# Altium PCB 2017_FDP_PCB.PcbDoc (part 1 of 3) (continued)
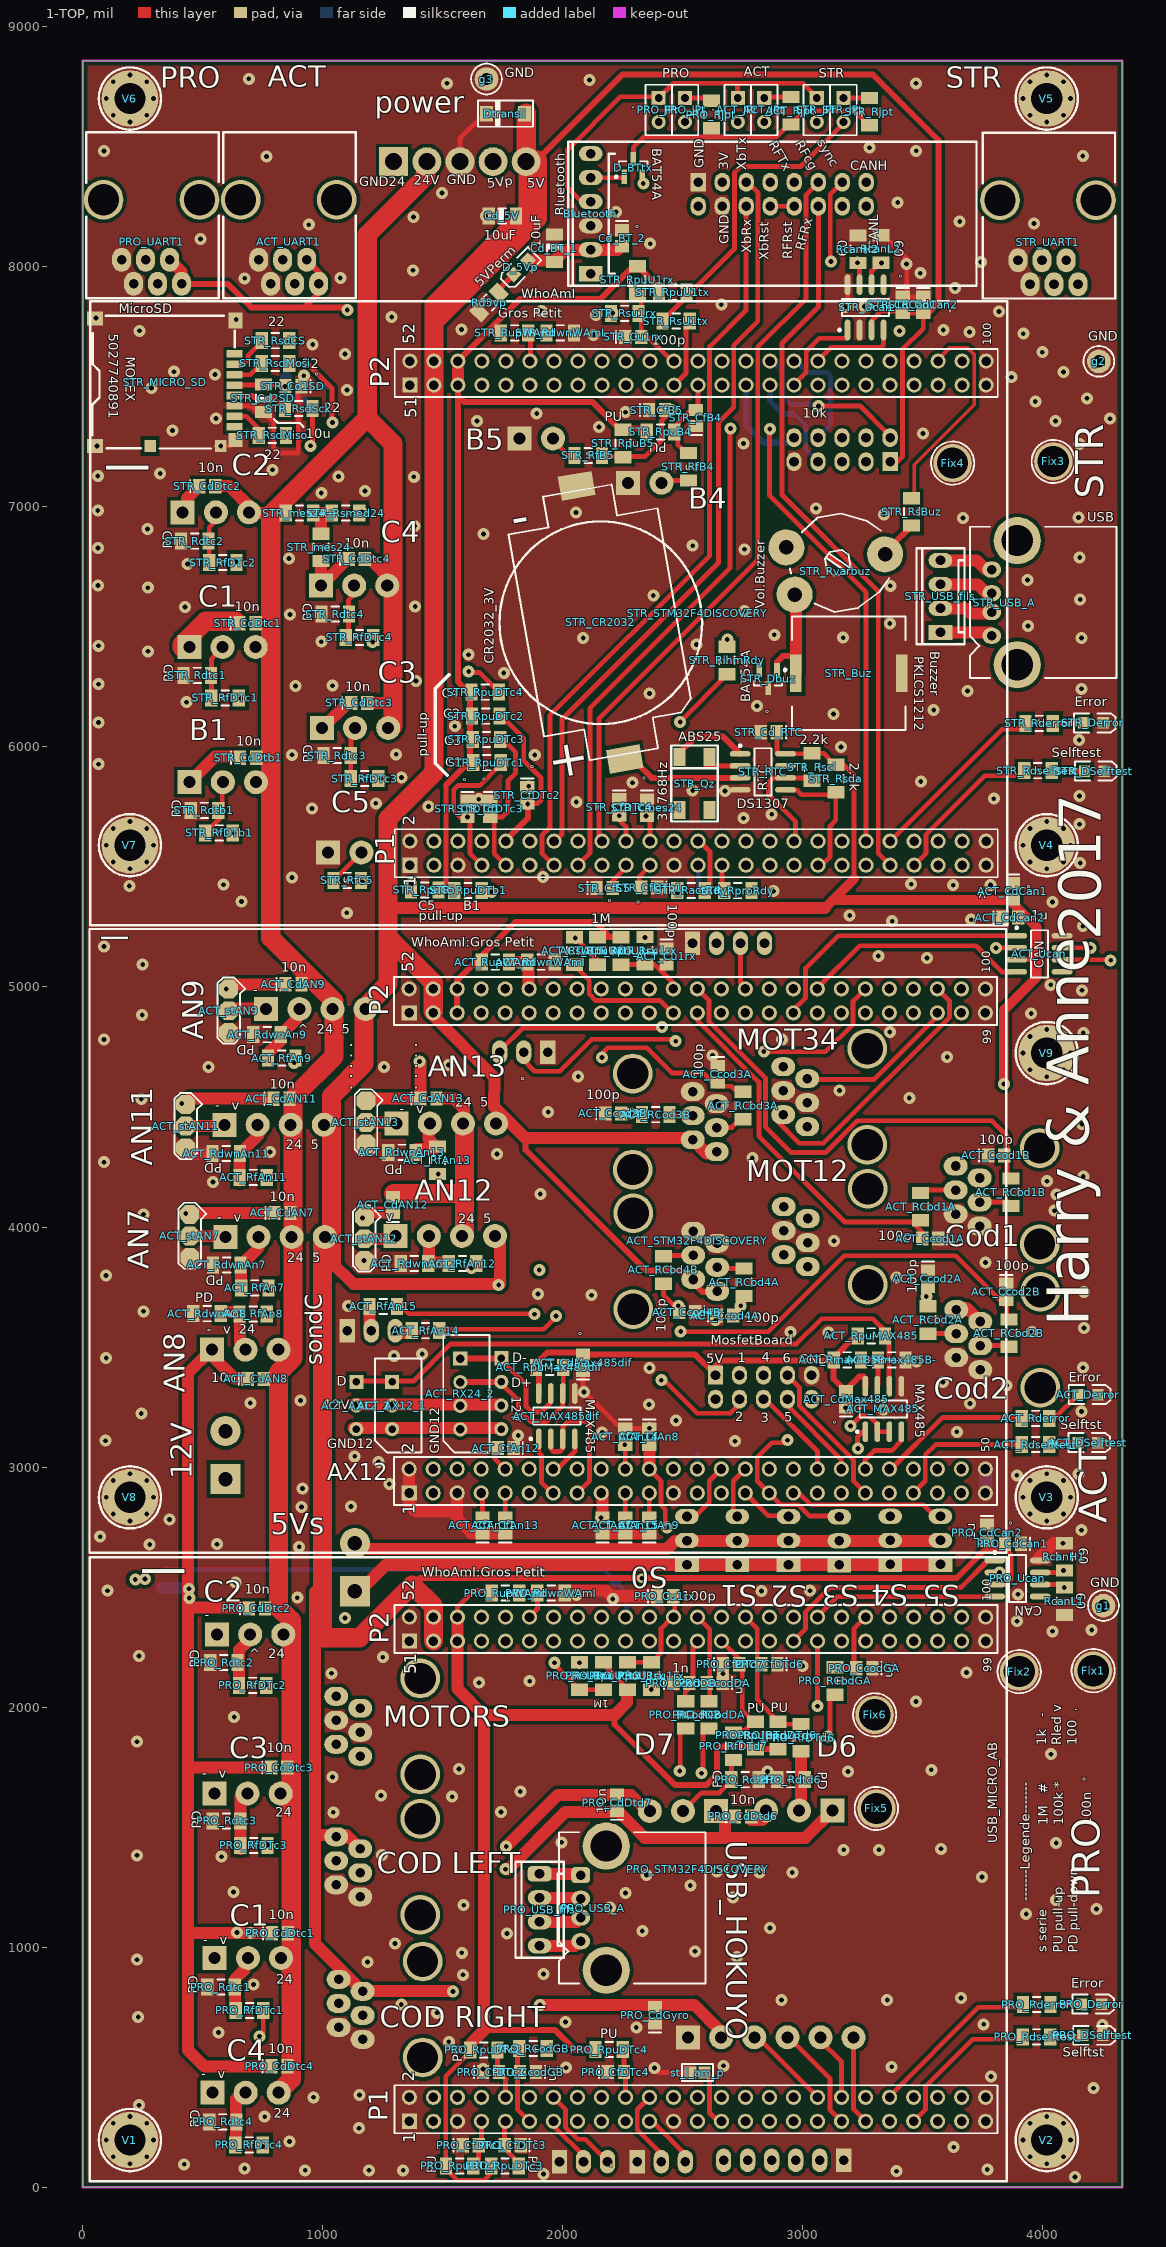
[diagram p0: 1-TOP view]
## Components (designator, comment, footprint, x,y, rotation, side; value= is the part's Value field where it differs from the comment)
5V_servos "BORNIER2" BORNIER_2V_5.08MM 1134,2683 r270 bottom
12V "BORNIER2" BORNIER_2V_5.08MM 595,3150 r270 bottom
ACT_8_MOSFET "HE10/10_MALE_DROIT_BAS_PROFIL" HE10/10_M_D_BP 2636,3283 r0 bottom
ACT__Mot12 "RJ11_6/6" "RJ11_6/6 - droit" 2920,3885 r0 bottom locked
ACT_AN7 "BORNIER_4V_3.5MM" BORNIER_4V_3.5MM 595,3959 r0 bottom
ACT_AN8 "B_3V_3.5MM" BORNIER_3V_3.5MM 540,3489 r0 bottom
ACT_AN9 "BORNIER_4V_3.5MM" BORNIER_4V_3.5MM 765,4908 r0 bottom
ACT_AN11 "BORNIER_4V_3.5MM" BORNIER_4V_3.5MM 591,4426 r0 bottom
ACT_AN12 "BORNIER_4V_3.5MM" BORNIER_4V_3.5MM 1304,3963 r0 bottom
ACT_AN13 "BORNIER_4V_3.5MM" BORNIER_4V_3.5MM 1308,4431 r0 bottom
ACT_AX12_1 "MOLEX 22-03-5035" MOLEX3_2.5MM 1289,3158 r90 top
ACT_AX12_2 "MOLEX 22-03-5035" MOLEX3_2.5MM 1140,3158 r90 top
ACT_Ccod1A "100pF" C0805_N 3530,3952 r180 top
ACT_Ccod1B "100pF" C0805_N 3805,4298 r0 top
ACT_Ccod2A "100pF" C0805_N 3521,3785 r270 top
ACT_Ccod2B "100pF" C0805_N 3847,3730 r270 top
ACT_Ccod3A "100pF" C0805_N 2645,4637 r270 top
ACT_Ccod3B "100pF" C0805_N 2210,4473 r0 top
ACT_Ccod4A "100pF" C0805_N 2676,3631 r0 top
ACT_Ccod4B "100pF" C0805_N 2518,3646 r180 top
ACT_CdAN7 "10nF" C0805_N 832,4059 r0 top
ACT_CdAN8 "10nF" C0805_N 721,3367 r0 top
ACT_CdAN9 "10nF" C0805_N 878,5011 r0 top
ACT_CdAN11 "10nF" C0805_N 828,4534 r0 top
ACT_CdAN12 "10nF" C0805_N 1292,4092 r90 top
ACT_CdAN13 "10nF" C0805_N 1440,4536 r0 top
ACT_CdCan1 "100nF" C0805_N 3875,5398 r270 top
ACT_CdCan2 "1µF" C0805_N 3864,5289 r0 top
ACT_CdMax485 "100nF" C0805_N 3180,3282 r90 top
ACT_CdMax485dif "100nF" C0805_N 2084,3435 r90 top
ACT_CfAn7 "var" C0805_N 2165,2757 r90 top
ACT_CfAn8 "var" C0805_N 2360,3127 r270 top
ACT_CfAn9 "var" C0805_N 2360,2757 r90 top
ACT_CfAn11 "var" C0805_N 1665,2757 r90 top
ACT_CfAn12 "var" C0805_N 1762,3079 r180 top
ACT_CfAn13 "var" C0805_N 1760,2757 r90 top
ACT_CfAn14 "var" C0805_N 2260,3127 r270 top
ACT_CfAn15 "var" C0805_N 2260,2757 r90 top
ACT_cod1 "CODEUR1" "RJ11_6/6 - droit" 3636,4054 r0 bottom locked
ACT_cod2 "CODEUR2" "RJ11_6/6 - droit" 3639,3456 r0 bottom locked
ACT_cod3 "CODEUR3" "RJ11_6/6 - droit" 2641,4514 r180 bottom
ACT_cod4 "CODEUR4" "RJ11_6/6 - droit" 2643,3932 r180 bottom
ACT_Cu1rx "100pF" C0805_N 2432,5127 r270 top
ACT_currentMot "BARRETTE3" HE14_3 1102,3568 r0 bottom
ACT_Derror "ERROR" LED_0805 4188,3302 r0 top
ACT_DSelftest "SELFTEST" LED_0805 4187,3102 r0 top
ACT_JPr "JUMPER2" BARRETTE_2_M_D 2729,8703 r270 top
ACT_JPt "JUMPER2" BARRETTE_2_M_D 2839,8703 r270 top
ACT_MAX485 "MAX485CPA+_DIP8" SO8_N 3335,3242 r90 top
ACT_MAX485dif "MAX485CPA+_DIP8" SO8_N 1975,3212 r90 top
ACT_mot34 "RJ11_6/6" "RJ11_6/6 - droit" 2918,4468 r0 bottom locked
ACT_RCod1A "1k" R1206_N 3490,4085 r90 top
ACT_RCod1B "1k" R1206_N 3866,4145 r270 top
ACT_RCod2A "1k" R1206_N 3521,3613 r270 top
ACT_RCod2B "1k" R1206_N 3858,3558 r270 top
ACT_RCod3A "1k" R1206_N 2751,4506 r270 top
ACT_RCod3B "1k" R1206_N 2387,4468 r0 top
ACT_RCod4A "1k" R1206_N 2755,3770 r90 top
ACT_RCod4B "1k" R1206_N 2419,3821 r90 top
ACT_Rderror "150" R1206_N 3969,3203 r0 top
ACT_Rdselftest "330" R1206_N 3969,3094 r0 top
ACT_RdwnAn7 "var" R1206_N 600,3842 r0 top
ACT_RdwnAn8 "var" R1206_N 518,3639 r0 top
ACT_RdwnAn9 "var" R1206_N 768,4801 r0 top
ACT_RdwnAn11 "var" R1206_N 598,4306 r0 top
ACT_RdwnAn12 "var" R1206_N 1382,3848 r0 top
ACT_RdwnAn13 "var" R1206_N 1330,4311 r0 top
ACT_RdwnWAmI "0" R1206_N 1909,5103 r180 top
ACT_RfAn7 "var" R1206_N 717,3747 r180 top
ACT_RfAn8 "var" R1206_N 710,3638 r180 top
ACT_RfAn9 "var" R1206_N 829,4704 r180 top
ACT_RfAn11 "var" R1206_N 710,4207 r180 top
ACT_RfAn12 "var" R1206_N 1582,3848 r180 top
ACT_RfAn13 "var" R1206_N 1477,4278 r90 top
ACT_RfAn14 "var" R1206_N 1428,3568 r180 top
ACT_RfAn15 "var" R1206_N 1252,3669 r180 top
ACT_RFU "BARRETTE4" HE14_4#1 2540,5182 r0 bottom
ACT_Rjpt "100" R1206_N 2950,8650 r270 top
ACT_Rmax485B+ "10k" R1206_N 3185,3447 r180 top
ACT_Rmax485B- "10k" R1206_N 3370,3447 r180 top
ACT_RpuMAX485 "10k" R1206_N 3285,3547 r180 top
ACT_RpuMax485dif "10k" R1206_N 1945,3415 r180 top
ACT_RpuU1rx "10k" R1206_N 2242,5150 r90 top
ACT_RpuU1tx "1M" R1206_N 2145,5150 r90 top
ACT_Rsu1rx "1k" R1206_N 2342,5151 r90 top
ACT_RsU1tx "100" R1206_N 2049,5150 r270 top
ACT_RupWAmI "0" R1206_N 1719,5103 r180 top
ACT_RX24 "MOLEX 22-03-5045" MOLEX4_2.5MM#1 1744,3158 r90 bottom
ACT_RX24_2 "MOLEX 22-03-5045" MOLEX4_2.5MM#2 1573,3157 r90 top
ACT_stAN7 "strap" "Goutte Strap_3" 446,4053 r270 top
ACT_stAN9 "strap" "Goutte Strap_3" 608,4991 r270 top
ACT_stAN11 "strap" "Goutte Strap_3" 429,4510 r270 top
ACT_stAN12 "strap" "Goutte Strap_3" 1173,4041 r270 top
ACT_stAN13 "strap" "Goutte Strap_3" 1180,4526 r270 top
ACT_STM32F4DISCOVERY "STM32F4DISCOVERY" STM32_F4DISCOVERY 1360,2892 r90 top locked
ACT_UART1 "RJ11_6/6" "RJ11_6/6 - droit" 783,7929 r90 top
ACT_Ucan "MCP2551-I/SN" SO8_N 3985,5138 r0 top
Alim "BORNIER_5V_3.5MM" BORNIER_5V_3.5MM_femelle_0 1296,8438 r0 bottom
Bluetooth "MHDR1X6" HE14_6 2116,7971 r90 top
Cd_5V "10uF" C1206_N 1748,8212 r0 top
Cd_BT_1 "10uF" C1206_N 1965,8077 r270 top
Cd_BT_2 "100nF" C0805_N 2247,8119 r270 top
COMRF "BARRETTE_8 CONTACTS_2 RANGEES_MALE_DROITE" "HE10/16_M_D_B P" 2564,8252 r0 bottom
D_5Vp "LED Verte" LED_0805 1825,7997 r225 top
D_BTtx "BAT54A" SOT23-3N 2293,8412 r90 top
Dtransil "SMA6J5.0A" DO214AC 1761,8638 r0 top
Fix1 "Pad_M3" "Point Test_D3_P1.6mm" 4209,2152 r0 top
Fix2 "Pad_M3" "Point Test_D3_P1.6mm" 3901,2148 r0 top
Fix3 "Pad_M3" "Point Test_D3_P1.6mm" 4043,7189 r0 top
Fix4 "Pad_M3" "Point Test_D3_P1.6mm" 3623.69,7182.06 r0 top
Fix5 "Pad_M3" "Point Test_D3_P1.6mm" 3306,1578 r0 top
Fix6 "Pad_M3" "Point Test_D3_P1.6mm" 3299,1968 r0 top
g1 "grip" POINT_TEST 4252,2423 r0 top
g2 "grip" POINT_TEST 4233,7606 r0 top
g3 "grip" POINT_TEST 1682,8782 r0 top
MOS_Capt "Transistor MOSFET-N" SOT23-3N 292,2533 r180 bottom
PRO_CcodDA "1nF" C0805_N 2633,2100 r180 top
PRO_CcodDB "1nF" C0805_N 2493,2100 r0 top
PRO_CcodGA "1nF" C0805_N 3256,2162 r180 top
PRO_CcodGB "1nF" C0805_N 1855,480 r180 top
PRO_CdCan1 "100nF" C0805_N 3875,2681 r180 top
PRO_CdCan2 "1µF" C0805_N 3767,2726 r270 top
PRO_CdDtc1 "10nF" C0805_N 822,1058 r0 top
PRO_CdDtc2 "10nF" C0805_N 726,2411 r0 top
PRO_CdDtc3 "10nF" C0805_N 819,1748 r0 top
PRO_CdDtc4 "10nF" C0805_N 820,504 r0 top
PRO_CdDtd6 "10nF" C0805_N 2751,1545 r0 top
PRO_CdDtd7 "10nF" C0805_N 2226,1602 r90 top
PRO_CdGyro "100nF" C0805_N 2384,716 r90 top
PRO_CfDTc1 "100nF" C0805_N 1616,175 r0 top
PRO_CfDTc2 "100nF" C0805_N 1701,480 r0 top
PRO_CfDTc3 "100nF" C0805_N 1791,175 r180 top
PRO_CfDTc4 "100nF" C0805_N 2221,480 r0 top
PRO_CfDTd6 "100nF" C0805_N 2861,2179 r180 top
PRO_CfDTd7 "100nF" C0805_N 2701,2179 r0 top
PRO_codDroite "CODEUR2" "RJ11_6/6 - droit" 1066,666 r0 bottom
PRO_codGauche "CODEUR1" "RJ11_6/6 - droit" 1056,1260 r0 bottom
PRO_Cu1rx "100pF" C0805_N 2426,2462 r0 top
PRO_currentMot "BARRETTE3" HE14_3 2310,107 r0 bottom
PRO_Derror "ERROR" LED_0805 4203,763 r0 top
PRO_DSelftest "SELFTEST" LED_0805 4207,633 r0 top
PRO_DTc1 "B_3V_3.5MM" BORNIER_3V_3.5MM 551.01,955.01 r0 bottom
PRO_DTc2 "B_3V_3.5MM" BORNIER_3V_3.5MM 560.01,2303.01 r0 bottom
PRO_DTc3 "B_3V_3.5MM" BORNIER_3V_3.5MM 549.01,1640.01 r0 bottom
PRO_DTc4 "B_3V_3.5MM" BORNIER_3V_3.5MM 541.01,394.01 r0 bottom
PRO_DTd6 "B_3V_3.5MM" BORNIER_3V_3.5MM 3122,1569 r180 bottom
PRO_DTd7 "B_3V_3.5MM" BORNIER_3V_3.5MM 2638,1567 r180 bottom
PRO_gyro "BORNIER_6V_3.5MM" BORNIER_6V_3.5MM 2522,625 r0 bottom
PRO_JPr "JUMPER2" BARRETTE_2_M_D 2399,8703 r270 top
PRO_JPt "JUMPER2" BARRETTE_2_M_D 2509,8703 r270 top
PRO_Motors "RJ12" "RJ11_6/6 - droit" 1056,1845 r0 bottom
PRO_RCodDA "10k" R1206_N 2609,1968 r270 top
PRO_RCodDB "10k" R1206_N 2512,1968 r270 top
PRO_RCodGA "10k" R1206_N 3134,2109 r270 top
PRO_RCodGB "10k" R1206_N 1876,578 r0 top
PRO_Rderror "150" R1206_N 3974.01,761.01 r0 top
PRO_Rdselftest "330" R1206_N 3973.01,627.01 r0 top
PRO_Rdtc1 "150" R1206_N 576,834 r0 top
PRO_Rdtc2 "150" R1206_N 588,2186 r0 top
PRO_Rdtc3 "150" R1206_N 599,1526 r0 top
PRO_Rdtc4 "150" R1206_N 584,273 r0 top
PRO_Rdtd6 "150" R1206_N 2950,1698 r0 top
PRO_Rdtd7 "150" R1206_N 2759,1698 r180 top
PRO_RdwnWAmI "0" R1206_N 1951,2475 r180 top
PRO_RfDTc1 "10k" R1206_N 695,737 r0 top
PRO_RfDTc2 "10k" R1206_N 708,2091 r0 top
PRO_RfDTc3 "10k" R1206_N 713,1424 r0 top
PRO_RfDTc4 "10k" R1206_N 693,177 r0 top
PRO_RfDTd6 "10k" R1206_N 2992,1873 r90 top
PRO_RfDTd7 "10k" R1206_N 2711,1837 r90 top
PRO_Rjpt "100" R1206_N 2619,8634 r270 top
PRO_RpuDTc1 "10k" R1206_N 1570,89 r180 top
PRO_RpuDTc2 "10k" R1206_N 1671,572 r180 top
PRO_RpuDTc3 "10k" R1206_N 1759,89 r180 top
PRO_RpuDTc4 "10k" R1206_N 2193,574 r180 top
PRO_RpuDTd6 "10k" R1206_N 2896,1882 r270 top
PRO_RpuDTd7 "10k" R1206_N 2802,1882 r270 top
PRO_RpuU1rx "10k" R1206_N 2270,2130 r270 top
PRO_RpuU1tx "1M" R1206_N 2170,2130 r90 top
PRO_Rsu1rx "1k" R1206_N 2370,2130 r270 top
PRO_RsU1tx "100" R1206_N 2070,2130 r90 top
PRO_RupWAmI "0" R1206_N 1761,2475 r180 top
PRO_STM32F4DISCOVERY "STM32F4DISCOVERY" STM32_F4DISCOVERY 1361,275 r90 top
PRO_UART1 "RJ11_6/6" "RJ11_6/6 - droit" 212,7929 r90 top
PRO_UART2 "BARRETTE3" HE14_3 1986,107 r0 bottom
PRO_Ucan "MCP2551-I/SN" SO8_N 3894,2536 r0 top
PRO_USB_A "USB_A_COUDEE" USB_A_C#1 2181.01,904.01 r90 top
PRO_USB_fils "BARRETTE4" HE14_4#2 1903,1006 r90 top
RcanH1 "60" R1206_N 4089,2626 r270 top
RcanH2 "60" R1206_N 3229,8073 r90 top
RcanL1 "60" R1206_N 4089,2441 r270 top
RcanL2 "60" R1206_N 3325,8074 r90 top
Rd5vp "1k" R1206_N 1693,7851 r225 top
RFU "BARRETTE6" HE14_6 3170,112 r180 bottom
Rpu_sensors "100k" R1206_N 2274,2531 r0 bottom
Servo0 "B3" HE14_3 2517,2594 r90 bottom
Servo1 "B3" HE14_3 2940,2594 r90 bottom
Servo2 "B3" HE14_3 2727,2594 r90 bottom
Servo3 "B3" HE14_3 3152,2593 r90 bottom
Servo4 "B3" HE14_3 3364,2595 r90 bottom
Servo5 "B3" HE14_3 3573,2595 r90 bottom
st_i_am_a "Goutte Strap_2" "Goutte Strap_2 Pads_Clearance 0.254mm" 2561,3120 r270 bottom
st_i_am_p "Goutte Strap_2" "Goutte Strap_2 Pads_Clearance 0.254mm" 2531,478 r0 top
st_i_am_s "Goutte Strap_2" "Goutte Strap_2 Pads_Clearance 0.254mm" 2565,5349 r90 bottom
STR_8_MOSFET "HE10/10_MALE_DROIT_BAS_PROFIL" HE10/10_M_D_BP 3363,7288 r180 bottom
STR_Buz "Buzzer_Murata_PKLCS1212E4001-R1" "Buzzer_Murata PKLCS1212" 3191,6307 r0 top
STR_Cd1SD "100nF" C0805_N 878,7502 r180 top
STR_Cd2SD "10uF" C1206_N 753,7452 r90 top
STR_Cd_RTC "100nF" C0805_N 2858,6061 r180 top
STR_CdCan1 "100nF" C0805_N 3416,7841 r270 top
STR_CdCan2 "1µF" C0805_N 3501,7841 r270 top
STR_CdDtb1 "10nF" C0805_N 689,5955 r0 top
STR_CdDtc1 "10nF" C0805_N 687,6515 r0 top
STR_CdDtc2 "10nF" C0805_N 519,7086 r0 top
STR_CdDtc3 "10nF" C0805_N 1152,6183 r0 top
STR_CdDtc4 "10nF" C0805_N 1142,6783 r0 top
STR_CfB4 "100nF" C0805_N 2554,7370 r90 top
STR_CfB5 "100nF" C0805_N 2392,7403 r0 top
STR_CfC5 "100nF" C0805_N 2174,5412 r0 top
STR_CfDTb1 "100nF" C0805_N 2360,5414 r180 top
STR_CfDTc1 "100nF" C0805_N 1603,5742 r270 top
STR_CfDTc2 "100nF" C0805_N 1852,5798 r270 top
STR_CfDTc3 "100nF" C0805_N 1698,5742 r270 top
STR_CfDTc4 "100nF" C0805_N 2235,5748 r270 top
STR_Cmes24 "100nF" C0805_N 2350,5747 r270 top
STR_CR2032 "battery" "PILE_CR2032_Support_795 271 41_WURTH" 2158,6516 r280 top
STR_Cu1rx "100pF" C0805_N 2293,7708 r0 top
STR_Dbuz "BAT54A" SOT23-3N 2855,6283 r270 top
STR_Derror "ERROR" LED_0805 4210,6100 r0 top
STR_DSelftest "SELFTEST" LED_0805 4214,5899 r0 top
STR_DTb1 "B_3V_3.5MM" BORNIER_3V_3.5MM 446,5853 r0 bottom
STR_DTc1 "B_3V_3.5MM" BORNIER_3V_3.5MM 445,6416 r0 bottom
STR_DTc2 "B_3V_3.5MM" BORNIER_3V_3.5MM 417.01,6977.01 r0 bottom
STR_DTc3 "B_3V_3.5MM" BORNIER_3V_3.5MM 997,6079 r0 bottom
STR_DTc4 "B_3V_3.5MM" BORNIER_3V_3.5MM 993,6672 r0 bottom
STR_JPr "JUMPER2" BARRETTE_2_M_D 3058,8703 r270 top
STR_JPt "JUMPER2" BARRETTE_2_M_D 3169,8703 r270 top
STR_mes24+ "100k" R1206_N 903,6974 r180 top
STR_mes24- "10K" R1206_N 993,6831 r90 top
STR_MICRO_SD "MOLEX_MICRO_SD_HEADER_5027740891" MOLEX_MICRO_SD_HEADER_5027740891 633,7637 r90 top
STR_PB4 "B_2V_3.5MM" BORNIER_2V_3.5MM 2273,7100 r0 bottom
STR_PB5 "B_2V_3.5MM" BORNIER_2V_3.5MM 1821,7285 r0 bottom
STR_PC5 "B_2V_3.5MM" BORNIER_2V_3.5MM 1023.06,5560.45 r0 bottom
STR_Qz "Quartz_ABS25" Quartz_ABS25 2486,5957 r270 top
STR_RactRdy "100" R1206_N 2534,5402 r180 top
STR_Rderror "150" R1206_N 3984,6098 r0 top
STR_Rdselftest "330" R1206_N 3979,5901 r0 top
STR_Rdtb1 "150" R1206_N 507,5736 r0 top
STR_Rdtc1 "150" R1206_N 477,6298 r0 top
STR_Rdtc2 "150" R1206_N 467,6857 r0 top
STR_Rdtc3 "150" R1206_N 1060,5964 r0 top
STR_Rdtc4 "150" R1206_N 1052,6553 r0 top
STR_RdwnWAmI "0" R1206_N 1989,7725 r180 top
STR_RfB4 "10k" R1206_N 2523,7167 r90 top
STR_RfB5 "10k" R1206_N 2106,7214 r0 top
STR_RfC5 "10k" R1206_N 1102,5444 r0 top
STR_RfDTb1 "10k" R1206_N 568,5642 r0 top
STR_RfDTc1 "10k" R1206_N 593,6204 r0 top
STR_RfDTc2 "10k" R1206_N 584,6768 r0 top
STR_RfDTc3 "10k" R1206_N 1174,5868 r0 top
STR_RfDTc4 "10k" R1206_N 1153,6456 r0 top
STR_RihmRdy "100" R1206_N 2684,6360 r90 top
STR_Rjpt "100" R1206_N 3278,8646 r270 top
STR_RproRdy "100" R1206_N 2729,5401 r0 top
STR_RpuB4 "10k" R1206_N 2407,7312 r180 top
STR_RpuB5 "10k" R1206_N 2251,7264 r90 top
STR_RpuC5 "10k" R1206_N 1425,5404 r0 top
STR_RpudCs "47k" R1206_N 846,7598 r90 bottom
STR_RpudMiso "47k" R1206_N 847,7386 r90 bottom
STR_RpudMosi "47k" R1206_N 1024,7445 r270 bottom
STR_RpudSck "47k" R1206_N 935,7360 r90 bottom
STR_RpuDTb1 "10k" R1206_N 1605,5402 r180 top
STR_RpuDTc1 "10k" R1206_N 1684,5934 r180 top
STR_RpuDTc2 "10k" R1206_N 1679,6128 r180 top
STR_RpuDTc3 "10k" R1206_N 1682,6031 r180 top
STR_RpuDTc4 "10k" R1206_N 1677,6228 r180 top
STR_RpuU1rx "10k" R1206_N 2310,7945 r90 top
STR_RpuU1tx "1M" R1206_N 2458,7894 r180 top
STR_RsBuz "1k" R1206_N 3453,6979 r270 top
STR_Rscl "2.2k" R1206_N 3038,5916 r90 top
STR_Rsda "2.2k" R1206_N 3137,5868 r90 top
STR_RsdCS "22" R1206_N 803,7692 r180 top
STR_RsdMiso "22" R1206_N 790,7298 r180 top
STR_RsdMosi "22" R1206_N 803,7597 r180 top
STR_RsdSck "22" R1206_N 900,7409 r180 top
STR_Rsmed24 "10k" R1206_N 1095,6974 r0 top
STR_Rsu1rx "1k" R1206_N 2258,7806 r180 top
STR_RsU1tx "100" R1206_N 2472,7774 r0 top
STR_RTC "DS1307" SO8_N 2833,5896 r0 top
STR_RupWAmI "0" R1206_N 1799,7725 r180 top
STR_Rvarbuz "RESISTANCE_VARIABLE_TRAVERSANTE : PT10LV" TRIMMER_MONOTOUR_PT10LV 2931,6831 r280 top
STR_STM32F4DISCOVERY "STM32F4DISCOVERY" STM32_F4DISCOVERY 1363,5507 r90 top locked
STR_UART1 "RJ11_6/6" "RJ11_6/6 - droit" 3946,7927 r90 top
STR_Ucan "MCP2551-I/SN" SO8_N 3261,7831 r90 top
STR_USB_A "USB_A_COUDEE" USB_A_C#2 3893,6342 r90 top
STR_USB_fils "BARRETTE4" HE14_4#1 3573,6477 r90 top
TOR "B3" HE14_3 1937,4728 r180 bottom
V1 "Pad_M3" "M3x6mm Torx" 196.85,196.85 r0 top
V2 "Pad_M3" "M3x6mm Torx" 4015.75,196.85 r0 top
V3 "Pad_M3" "M3x6mm Torx" 4015.75,2874.02 r0 top
V4 "Pad_M3" "M3x6mm Torx" 4015.75,5590.55 r0 top
V5 "Pad_M3" "M3x6mm Torx" 4015.75,8700.79 r0 top
V6 "Pad_M3" "M3x6mm Torx" 196.85,8700.79 r0 top
V7 "Pad_M3" "M3x6mm Torx" 196.85,5590.55 r0 top
V8 "Pad_M3" "M3x6mm Torx" 196.85,2874.02 r0 top
V9 "Pad_M3" "M3x6mm Torx" 4015.75,4724.41 r0 top

## Footprints (in the part's own frame and the unit in brackets; to place one, negate y for a bottom-side part, rotate by r counter-clockwise, add the part's x,y. Pads: shape width x height; smd on the part's side, far side on the other; paste and mask are expansions set on the pad)
BARRETTE_2_M_D [mm] "BARRETTE 2 CONTACTS ; 1 RANGEE ; DROITE ; MALE ; ESPACEMENT BROCHES = 2.54 mm"
  rect 1.5x1.5 hole 0.813: 1(0,0)
  round 1.5 hole 0.813: 2(2.54,0)
  silkscreen extent -1.4,-1.4 3.94,1.4, body extent -1.3,-1.2 3.78,1.3, height 8.55
BORNIER_2V_3.5MM [mil]
  rect 100x100 hole 50: 1(-1,0)
  round 100 hole 50: 2(137.8,0)
  silkscreen extent -91,-111 230,173, body extent -89,-200 229,209, height 859
BORNIER_2V_5.08MM [mm] "Connector; Header; 2 Position; screw terminal blocks, Pin Spacing=5.08mm"
  rect 3.2x3.2 hole 1.524: 1(5.08,0)
  round 3.2 hole 1.524: 2(0,0)
  silkscreen extent -3.53,-4.7 8.64,3.81, body extent -3.53,-6.68 8.63,5.92, height 29.9
BORNIER_3V_3.5MM [mm]
  rect 2.54x2.54 hole 1.27: 1(-0.025,0)
  round 2.54 hole 1.27: 2(3.5,0) 3(7,0)
  silkscreen extent -2.31,-2.84 9.32,4.43, body extent -2.28,-4.87 9.32,5.53, height 22.31
BORNIER_4V_3.5MM [mm]
  rect 2.54x2.54 hole 1.27: 1(-0.025,0)
  round 2.54 hole 1.27: 2(3.5,0) 3(7,0) 4(10.5,0)
  silkscreen extent -2.44,-2.82 12.75,4.4, body extent -2.39,-4.51 12.71,5.89, height 22.31
BORNIER_5V_3.5MM_femelle_0 [mil]
  rect 120x120 hole 70: 1(-1,0)
  round 120 hole 70: 2(137.8,0) 3(275.59,0) 4(413.39,0) 5(551.18,0)
  silkscreen extent -91,-111 642,174, body extent -91,-229 641,208, height 724
BORNIER_6V_3.5MM [mm]
  rect 2.54x2.54 hole 1.27: 1(-0.025,0)
  round 2.54 hole 1.27: 2(3.5,0) 3(7,0) 4(10.5,0) 5(14,0) 6(17.5,0.025)
  silkscreen extent -2.31,-2.82 19.89,4.42, body extent -2.26,-5.62 19.84,4.78, height 21.81
"Buzzer_Murata PKLCS1212" [mm] "Buzzer_SMD_12x12mm Murata PKLCS1212"
  rect 1.2x4 smd: 1(-5.6,0) 2(5.6,0)
  silkscreen extent -6,-6 6,6, body extent -6.3,-6.1 6.3,6.1, height 3
C0805_N [mm] "Chip Capacitor, Body 2.0x1.3mm, IPC Medium Density"
  rect 1.3x1.5 smd: 1(-0.85,0) 2(0.85,0)
  silkscreen extent -1.8,-0.65 -1.8,0.65, body extent -0.99,-0.63 1.01,0.63, height 0.8
C1206_N [mm] "Chip Capacitor, Body 3.2x1.6mm, IPC Medium Density"
  rect 1.3x1.8 smd: 1(-1.45,0) 2(1.45,0)
  silkscreen extent -0.4,-0.8 0.4,0.8, body extent -1.57,-0.81 1.63,0.79, height 1.02
DO214AC [mm] "Diode"
  rect 1.4x1.64 smd: 1(-2.015,0) 2(2.015,0)
  silkscreen extent -2.92,-1.4 2.92,1.4, body extent -2.74,-1.4 2.74,1.4, height 2.27
"Goutte Strap_2 Pads_Clearance 0.254mm" [mil] "Goutte Strap_2 Pads_Clearance 0.254mm"
  rect 50x50 smd mask+7.87: 1(0,0) 2(60,0)
  silkscreen extent -35,-35 95,35
"Goutte Strap_3" [mm] "3 Pads CMS Goutte Strap"
  oct 2x2 smd: 1(0,0) 2(2.286,0) 3(4.572,0)
  silkscreen extent -1.22,-1.19 5.77,1.75
HE10/10_M_D_BP [mm] "HE10 ; 10 CONTACTS ; MALE ;  DROIT; BAS PROFIL ; ESPACEMENTS BROCHES = 2.54 mm"
  rect 1.63x2 hole 1.016: 1(0,-2.54)
  oval 1.63x2 hole 1.016: 2(0,0) 3(2.54,-2.54) 4(2.54,0) 5(5.08,-2.54) 6(5.08,0) 7(7.62,-2.54) 8(7.62,0) 9(10.16,-2.54) 10(10.16,0)
  silkscreen extent -5.16,-5.95 15.36,3.78, body extent -5,-5.8 15.2,3.6, height 8.8
"HE10/16_M_D_B P" [mm] "HE10 ; 16 CONTACTS ; MALE ;  DROIT; BAS PROFIL ; ESPACEMENTS BROCHES = 2.54 mm"
  rect 1.63x2 hole 1.016: 1(0,-2.54)
  oval 1.63x2 hole 1.016: 2(0,0) 3(2.54,-2.54) 4(2.54,0) 5(5.08,-2.54) 6(5.08,0) 7(7.62,-2.54) 8(7.62,0) 9(10.16,-2.54) 10(10.16,0) 11(12.7,-2.54) 12(12.7,0) 13(15.24,-2.54) 14(15.24,0) 15(17.78,-2.54) 16(17.78,0)
  silkscreen extent -5.26,-6 22.86,3.78, body extent -5.1,-5.8 22.72,3.6, height 8.8
HE14_3 [mm] "Connector; HE14; 3 Position; Pin Spacing=2.54mm"
  rect 1.6x2.5 hole 1.016: 1(0,0)
  oval 1.6x2.5 hole 1.016: 2(2.54,0) 3(5.08,0)
  silkscreen extent -1.27,-2.54 6.35,2.54, body extent -1.27,-2.51 6.35,2.49, height 11.42
HE14_4#1 [mm] "Connector; HE14; 4 Position; Pin Spacing=2.54mm"
  rect 1.6x2.5 hole 1.016: 1(0,0)
  oval 1.6x2.5 hole 1.016: 2(2.54,0) 3(5.08,0) 4(7.62,0)
  silkscreen extent -1.27,-2.54 8.89,2.54, body extent -1.3,-2.45 8.86,2.55, height 11.42
HE14_4#2 [mm] "Connector; HE14; 4 Position; Pin Spacing=2.54mm"
  oval 1.6x2.5 hole 1.016: 1(0,0) 2(2.54,0) 3(5.08,0)
  rrect50% 1.6x2.5 hole 1.016: 4(7.62,0)
  silkscreen extent -1.27,-2.54 8.89,2.54, body extent -1.3,-2.45 8.86,2.55, height 11.42
HE14_6 [mm] "Connector; HE14; 6 Position; Pin Spacing=2.54mm"
  rect 1.6x2.5 hole 1.016: 1(0,0)
  oval 1.6x2.5 hole 1.016: 2(2.54,0) 3(5.08,0) 4(7.62,0) 5(10.16,0) 6(12.7,0)
  silkscreen extent -1.27,-40.82 13.97,2.39
LED_0805 [mm] "SM LED; 2 Flat Leads"
  rect 1.2x1.2 smd: 1(-1.05,0) 2(1.05,0)
  silkscreen extent -2.05,-1 2.35,1, body extent -1.05,-0.64 1.06,0.64, height 1.2
"M3x6mm Torx" [mm] "Vis M3 X 6mm _TORX_Tête 6mm"
  round 0.8 hole 0.508: 1(-2.5,0) 1(-1.768,-1.768) 1(-1.768,1.768) 1(0,-2.5) 1(0,2.5) 1(1.768,-1.768) 1(1.768,1.768) 1(2.5,0)
  round 6 hole 3.302: 1(0,0)
  silkscreen extent -3.29,-3.28 3.29,3.28, body extent -2.84,-2.85 2.86,2.85, height 1.67
MOLEX3_2.5MM [mm] "Ref Molex : 22-03-5035 - 3 voies - 2.5mm"
  rect 1.5x1.5 hole 0.813: 1(5,0)
  round 1.5 hole 0.813: 2(2.5,0) 3(0,0)
  silkscreen extent -2.45,-3.1 7.49,1.8, body extent -2.46,-3.05 7.44,1.85, height 5.92
MOLEX4_2.5MM#1 [mm] "Ref Molex : 22-03-5045 - 4 voies - 2.5mm"
  rect 1.5x1.5 hole 0.813: 1(7.5,0)
  round 1.5 hole 0.813: 2(5,0) 3(2.5,0) 4(0,0)
  silkscreen extent -2.45,-3.1 10,1.8, body extent -2.44,-3.07 9.96,1.83, height 5.92
MOLEX4_2.5MM#2 [mm] "Ref Molex : 22-03-5045 - 4 voies - 2.5mm"
  rect 1.5x1.5 hole 0.9: 1(7.5,0)
  round 1.5 hole 0.9: 2(5,0) 3(2.5,0) 4(0,0)
  silkscreen extent -2.45,-3.1 10,1.8, body extent -2.44,-3.07 9.96,1.83, height 5.92
MOLEX_MICRO_SD_HEADER_5027740891 [mm]
  rect 1.5x1.7 smd: 0(-9.754,14.783) 0(3.74,14.783)
  rect 1.5x1.5 smd: 0(-9.1,-0.1)
  rect 1.7x1.5 smd: 0(3.55,-0.1)
  rect 0.8x1.68 smd: 1(0,0) 2(-1.1,0) 3(-2.2,0) 4(-3.3,0) 5(-4.4,0) 6(-5.5,0) 7(-6.6,0) 8(-7.7,0)
  rect 1.3x1.2 smd: 9(-9.75,1.49) 10(-9.75,8.94)
  round 1.524 on Top Overlay: ""(0.432,1.93)
  silkscreen extent -10.01,0 4.04,15.04, body extent -10.1,-0.68 4.2,15.32, height 1.88
"PILE_CR2032_Support_795 271 41_WURTH" [mm]
  rect 2.6x3.6 smd: +(14.605,0) -(-14.732,0)
  silkscreen extent -14.22,-8 14.1,8, body extent -15.95,-8 15.95,8, height 5.5
"Point Test_D3_P1.6mm" [mil] "Test point for PCB_Hole 1.6mm"
  round 160 hole 130: 1(0,0)
  silkscreen extent -90,-90 90,90
POINT_TEST [mm] "PASTILLE TRAVERSANTE ; DIAMETRE = 2.5 mm ; DIAMETRE PERCAGE = 1.3 mm"
  round 2.5 hole 1.3: 1(0,0)
  silkscreen extent -1.63,-1.62 1.63,1.62, body extent -1.24,-1.27 1.3,1.27, height 5.94
Quartz_ABS25 [mil]
  rect 75x50 smd: 1(0,0) 2(220,0) 3(220,125) 4(0,125)
  silkscreen extent -49,-34 268,160
R1206_N [mm] "Chip Resistor, Body 3.2x1.6mm, IPC Medium Density"
  rect 1.3x1.8 smd: 1(-1.45,0) 2(1.45,0)
  silkscreen extent -0.4,-0.8 0.4,0.8, body extent -1.68,-0.87 1.68,0.87, height 0.71
"RJ11_6/6 - droit" [mm] "Connector; RJ11; 6P/6C; Low Profil; Right Angle; Pin Spacing=2.54mm"
  oval 2.54x2 hole 1.016: 1(0,-5.08) 2(2.54,-3.82) 3(0,-2.54) 4(2.54,-1.27) 5(0,0) 6(2.54,1.27)
  round 4.2 hole 3.302: FIX1(8.89,3.18) FIX2(8.89,-6.98)
  silkscreen extent -1.51,-9.02 16.03,5, body extent -1.17,-9.66 15.31,6, height 16.45
SO8_N [mm] "8-Pin Small Outline Integrated Circuit 1.27 mm Pitch, IPC Medium Density"
  oval 2.2x0.6 smd: 1(-2.4,1.905) 2(-2.4,0.635) 3(-2.4,-0.635) 4(-2.4,-1.905) 5(2.4,-1.905) 6(2.4,-0.635) 7(2.4,0.635) 8(2.4,1.905)
  silkscreen extent -2.52,-2.5 0.9,2.88, body extent -1.95,-2.45 1.95,2.45, height 1.75
SOT23-3N [mm] "SOT23, 3-Leads, Body 2.9x1.3mm, Pitch 0.95mm, Lead Span 2.5mm, IPC Medium Density"
  rect 1.5x0.6 smd: 1(-0.95,0.95) 2(-0.95,-0.95) 3(0.95,0)
  silkscreen extent -1.07,-1.5 0.7,1.92, body extent -1.24,-1.5 1.23,1.5, height 1.1
STM32_F4DISCOVERY [mm] "KIT DE DEVELOPPEMENT"
  rect 1.6x1.6 hole 1.016: 1(0,0) 51(50.8,0)
  round 1.6 hole 1.016: 2(2.54,0) 3(0,-2.54) 4(2.54,-2.54) 5(0,-5.08) 6(2.54,-5.08) 7(0,-7.62) 8(2.54,-7.62) 9(0,-10.16) 10(2.54,-10.16) 11(0,-12.7) 12(2.54,-12.7) 13(0,-15.24) 14(2.54,-15.24) 15(0,-17.78) 16(2.54,-17.78) 17(0,-20.32) 18(2.54,-20.32) 19(0,-22.86) 20(2.54,-22.86) 21(0,-25.4) 22(2.54,-25.4) 23(0,-27.94) 24(2.54,-27.94) 25(0,-30.48) 26(2.54,-30.48) 27(0,-33.02) 28(2.54,-33.02) 29(0,-35.56) 30(2.54,-35.56) 31(0,-38.1) 32(2.54,-38.1) 33(0,-40.64) 34(2.54,-40.64) 35(0,-43.18) 36(2.54,-43.18) 37(0,-45.72) 38(2.54,-45.72) 39(0,-48.26) 40(2.54,-48.26) 41(0,-50.8) 42(2.54,-50.8) 43(0,-53.34) 44(2.54,-53.34) 45(0,-55.88) 46(2.54,-55.88) 47(0,-58.42) 48(2.54,-58.42) 49(0,-60.96) 50(2.54,-60.96) 52(53.34,0) 53(50.8,-2.54) 54(53.34,-2.54) 55(50.8,-5.08) 56(53.34,-5.08) 57(50.8,-7.62) 58(53.34,-7.62) 59(50.8,-10.16) 60(53.34,-10.16) 61(50.8,-12.7) 62(53.34,-12.7) 63(50.8,-15.24) 64(53.34,-15.24) 65(50.8,-17.78) 66(53.34,-17.78) 67(50.8,-20.32) 68(53.34,-20.32) 69(50.8,-22.86) 70(53.34,-22.86) 71(50.8,-25.4) 72(53.34,-25.4) 73(50.8,-27.94) 74(53.34,-27.94) 75(50.8,-30.48) 76(53.34,-30.48) 77(50.8,-33.02) 78(53.34,-33.02) 79(50.8,-35.56) 80(53.34,-35.56) 81(50.8,-38.1) 82(53.34,-38.1) 83(50.8,-40.64) 84(53.34,-40.64) 85(50.8,-43.18) 86(53.34,-43.18) 87(50.8,-45.72) 88(53.34,-45.72) 89(50.8,-48.26) 90(53.34,-48.26) 91(50.8,-50.8) 92(53.34,-50.8) 93(50.8,-53.34) 94(53.34,-53.34) 95(50.8,-55.88) 96(53.34,-55.88) 97(50.8,-58.42) 98(53.34,-58.42) 99(50.8,-60.96) 100(53.34,-60.96)
  silkscreen extent -6.33,-63.18 59.67,33.82, body extent -6.26,-67.19 59.74,34.86, height 24.97
TRIMMER_MONOTOUR_PT10LV [mil] "RESISTANCE VARIABLE MONOTOUR  PT10LV; DIMENSIONS : 10.16mm x 5.08mm"
  round 150 hole 60: 1(0,0) 2(100,400) 3(200,0)
  silkscreen extent -100,0 300,400, body extent -102,-9 303,408, height 246
USB_A_C#1 [mm] "USB ; TYPE A ; COUDE ; PAS = 2 mm / 2.5 mm & 13.14 mm"
  oval 1.7x2 hole 1.016: 1(3.07,2.71) 2(5.57,2.71) 3(7.57,2.71)
  rrect50% 1.7x2 hole 1.016: 4(10.07,2.71)
  round 5 hole 3.302: FIX1(0,0) FIX2(13.14,0)
  silkscreen extent -1.4,-10.5 14.6,5, body extent -1.31,-10.42 14.49,3.74, height 2.9
USB_A_C#2 [mm] "USB ; TYPE A ; COUDE ; PAS = 2 mm / 2.5 mm & 13.14 mm"
  oval 1.7x2 hole 1.016: 1(3.07,2.71) 2(5.57,2.71) 3(7.57,2.71) 4(10.07,2.71)
  round 5 hole 3.302: FIX1(0,0) FIX2(13.14,0)
  silkscreen extent -1.4,-10.5 14.6,5, body extent -1.31,-10.42 14.49,3.74, height 2.9

## Part data
5V_servos 12V: "Terminal blocks, 2 pins, pitch=5mm"
ACT_8_MOSFET STR_8_MOSFET: "EMBASE HE10/10 MALE DROIT BAS PROFIL"
ACT__Mot12 ACT_mot34 ACT_UART1 PRO_UART1 STR_UART1: "Right Angle, Standard Profile, Offset Latch DECconnect, Flangeless PCB Jack"
ACT_AN8 PRO_DTc1 PRO_DTc2 PRO_DTc3 PRO_DTc4 PRO_DTd6 PRO_DTd7 STR_DTb1 STR_DTc1 STR_DTc2 STR_DTc3 STR_DTc4: library part BORNIER_3V_3.5MM
ACT_AX12_1 ACT_AX12_2 Servo0 Servo1 Servo2 Servo3 Servo4 Servo5 TOR: library part BARRETTE3, "Header, 3-Pin"
ACT_Ccod1A ACT_Ccod1B ACT_Ccod2A ACT_Ccod2B ACT_Ccod3A ACT_Ccod3B ACT_Ccod4A ACT_Ccod4B ACT_CdAN7 ACT_CdAN8 ACT_CdAN9 ACT_CdAN11 ACT_CdAN12 ACT_CdAN13 ACT_CdCan1 ACT_CdCan2 ACT_CdMax485 ACT_CdMax485dif ACT_CfAn7 ACT_CfAn8 ACT_CfAn9 ACT_CfAn11 ACT_CfAn12 ACT_CfAn13 ACT_CfAn14 ACT_CfAn15 ACT_Cu1rx Cd_5V Cd_BT_1 Cd_BT_2 PRO_CcodDA PRO_CcodDB PRO_CcodGA PRO_CcodGB PRO_CdCan1 PRO_CdCan2 PRO_CdDtc1 PRO_CdDtc2 PRO_CdDtc3 PRO_CdDtc4 PRO_CdDtd6 PRO_CdDtd7 PRO_CdGyro PRO_CfDTc1 PRO_CfDTc2 PRO_CfDTc3 PRO_CfDTc4 PRO_CfDTd6 PRO_CfDTd7 PRO_Cu1rx STR_Cd1SD STR_Cd2SD STR_Cd_RTC STR_CdCan1 STR_CdCan2 STR_CdDtb1 STR_CdDtc1 STR_CdDtc2 STR_CdDtc3 STR_CdDtc4 STR_CfB4 STR_CfB5 STR_CfC5 STR_CfDTb1 STR_CfDTc1 STR_CfDTc2 STR_CfDTc3 STR_CfDTc4 STR_Cmes24 STR_Cu1rx: library part Condensateur, "Capacitor"
ACT_cod1 ACT_cod2 ACT_cod3 ACT_cod4 PRO_codDroite PRO_codGauche PRO_Motors: library part RJ11_6/6, "Right Angle, Standard Profile, Offset Latch DECconnect, Flangeless PCB Jack"
ACT_currentMot PRO_currentMot PRO_UART2: "Header, 3-Pin"
ACT_Derror ACT_DSelftest D_5Vp PRO_Derror PRO_DSelftest STR_Derror STR_DSelftest: library part LED, "Typical LED"
ACT_JPr ACT_JPt PRO_JPr PRO_JPt STR_JPr STR_JPt: "BARRETTE 2 CONTACTS 1 RANGEE MALE DROITE"
ACT_MAX485 ACT_MAX485dif: "EMETTEUR/RECEPTEUR FAIBLE PUISSANCE DE LIAISONS RS422/RS485 - DIP8"
ACT_RCod1A ACT_RCod1B ACT_RCod2A ACT_RCod2B ACT_RCod3A ACT_RCod3B ACT_RCod4A ACT_RCod4B ACT_Rderror ACT_Rdselftest ACT_RdwnAn7 ACT_RdwnAn8 ACT_RdwnAn9 ACT_RdwnAn11 ACT_RdwnAn12 ACT_RdwnAn13 ACT_RdwnWAmI ACT_RfAn7 ACT_RfAn8 ACT_RfAn9 ACT_RfAn11 ACT_RfAn12 ACT_RfAn13 ACT_RfAn14 ACT_RfAn15 ACT_Rjpt ACT_Rmax485B+ ACT_Rmax485B- ACT_RpuMAX485 ACT_RpuMax485dif ACT_RpuU1rx ACT_RpuU1tx ACT_Rsu1rx ACT_RsU1tx ACT_RupWAmI PRO_RCodDA PRO_RCodDB PRO_RCodGA PRO_RCodGB PRO_Rderror PRO_Rdselftest PRO_Rdtc1 PRO_Rdtc2 PRO_Rdtc3 PRO_Rdtc4 PRO_Rdtd6 PRO_Rdtd7 PRO_RdwnWAmI PRO_RfDTc1 PRO_RfDTc2 PRO_RfDTc3 PRO_RfDTc4 PRO_RfDTd6 PRO_RfDTd7 PRO_Rjpt PRO_RpuDTc1 PRO_RpuDTc2 PRO_RpuDTc3 PRO_RpuDTc4 PRO_RpuDTd6 PRO_RpuDTd7 PRO_RpuU1rx PRO_RpuU1tx PRO_Rsu1rx PRO_RsU1tx PRO_RupWAmI RcanH1 RcanH2 RcanL1 RcanL2 Rd5vp Rpu_sensors STR_mes24+ STR_mes24- STR_RactRdy STR_Rderror STR_Rdselftest STR_Rdtb1 STR_Rdtc1 STR_Rdtc2 STR_Rdtc3 STR_Rdtc4 STR_RdwnWAmI STR_RfB4 STR_RfB5 STR_RfC5 STR_RfDTb1 STR_RfDTc1 STR_RfDTc2 STR_RfDTc3 STR_RfDTc4 STR_RihmRdy STR_Rjpt STR_RproRdy STR_RpuB4 STR_RpuB5 STR_RpuC5 STR_RpudCs STR_RpudMiso STR_RpudMosi STR_RpudSck STR_RpuDTb1 STR_RpuDTc1 STR_RpuDTc2 STR_RpuDTc3 STR_RpuDTc4 STR_RpuU1rx STR_RpuU1tx STR_RsBuz STR_Rscl STR_Rsda STR_RsdCS STR_RsdMiso STR_RsdMosi STR_RsdSck STR_Rsmed24 STR_Rsu1rx STR_RsU1tx STR_RupWAmI: library part Resistor, "Resistor"
ACT_RFU PRO_USB_fils STR_USB_fils: "Header, 4-Pin"
ACT_RX24 ACT_RX24_2: library part BARRETTE4, "Header, 4-Pin"
ACT_stAN7 ACT_stAN9 ACT_stAN11 ACT_stAN12 ACT_stAN13: library part "Goutte Strap_3", "Goutte Strap_3"
ACT_STM32F4DISCOVERY PRO_STM32F4DISCOVERY STR_STM32F4DISCOVERY: "KIT DE DEVELOPPEMENT POUR MICROCONTROLEUR STM32F407VGT6"
ACT_Ucan PRO_Ucan STR_Ucan: "High-Speed CAN Transceiver, 8-Pin SOIC, Industrial Temperature"
Bluetooth RFU: "Header, 6-Pin"
D_BTtx STR_Dbuz: library part "Diode Shottky double  BAT54A", "DIODE SCHOTTKY DOUBLE"
Dtransil: library part "Diode 1N4001", "1 Amp General Purpose Rectifier"
Fix1 Fix2 Fix3 Fix4 Fix5 Fix6 V1 V2 V3 V4 V5 V6 V7 V8 V9: library part "Vis M3 X 6mm _TORX_Tête 6mm", "Vis M3 X 6mm _TORX_Tête 6mm"
g1 g2 g3: library part POINT_TEST, "POINT TEST"
MOS_Capt: "N-Channel MOSFET"
PRO_USB_A STR_USB_A: "EMBASE USB TRAVERSANTE TYPE A COUDEE"
STR_CR2032: "Battery, Pile"
STR_PB4 STR_PB5 STR_PC5: library part BORNIER_2V_3.5MM
STR_RTC: "64 X 8 Serial Real-Time Clock"
STR_Rvarbuz: "RESISTANCE VARIABLE_TRAVERSANTE : PT10LV"

## Via types
v1: diameter 50, hole 20, 1-TOP to 4-BOT, 452 vias
v2: diameter 40, hole 20, 1-TOP to 4-BOT, 1 vias

## Nets (pads, with @x,y where several pads share a name; then routed paths per layer and width w, separated by ;. In a path a pad name is that pad's centre, name@x,y a point inside that pad or via, vN(x,y) a via of type N, cw(c..) or ccw(c..) an arc to the next point about the centre after c; other vN are vias at no path point)
3V_ACT: ACT_RpuU1rx.2 ACT_RpuU1tx.2 ACT_RupWAmI.2 ACT_STM32F4DISCOVERY.55 ACT_STM32F4DISCOVERY.56 | length 1103.9
  1-TOP w25: ACT_STM32F4DISCOVERY.55@1560,4906 ACT_STM32F4DISCOVERY.56@1560,4992 1560,5028 1803,5271 2134,5271 2197.91,5207.09 ; ACT_RpuU1tx.2@2145,5207.09 2197.91,5207.09 ; ACT_RpuU1rx.2@2236,5205 2233.91,5207.09 2197.91,5207.09
  3-SIGNAL w20: ACT_STM32F4DISCOVERY.55@1560,4873 ACT_STM32F4DISCOVERY.55@1560,4892
  3-SIGNAL w25: ACT_STM32F4DISCOVERY.55@1559,4893 ACT_STM32F4DISCOVERY.56@1559,4999
3V_PRO: PRO_RpuDTc1.2 PRO_RpuDTc2.2 PRO_RpuDTc3.2 PRO_RpuDTc4.2 PRO_RpuDTd6.2 PRO_RpuDTd7.2 PRO_RpuU1rx.2 PRO_RpuU1tx.2 PRO_RupWAmI.2 PRO_STM32F4DISCOVERY.55 PRO_STM32F4DISCOVERY.56 | length 5011.1
  1-TOP w20: PRO_RpuDTc1.2@1511.91,75 1511.91,461.91 PRO_RpuDTc2.2@1604,554 ; PRO_RpuDTc1.2@1512.91,89 1512.91,77.09 1561,29 1672,29 PRO_RpuDTc3.2@1709,66 ; PRO_STM32F4DISCOVERY.56@1561,2375 1561,2416 1631,2486 PRO_RupWAmI.2@1697,2486 ; PRO_RpuU1tx.2@2182,2164 PRO_RpuU1rx.2@2270,2076
  1-TOP w25: 1675,655 1968,655 2049,574 PRO_RpuDTc4.2@2135.91,574 ; 2215,1967 2215,1928 2468,1675 2598,1675 2643,1720 2643,1822 2658,1837 PRO_RpuDTd7.2@2791,1837 ; PRO_RpuDTd7.2@2802,1824.91 PRO_RpuDTd6.2@2870.91,1824.91
  1-TOP w50: PRO_STM32F4DISCOVERY.56@1561,2375 PRO_STM32F4DISCOVERY.55@1561,2275 1561,2077 1671,1967 ; PRO_RpuDTc2.2@1621,603 1671,653 1671,1967 ; PRO_RpuU1rx.2@2268,2055 2268,2020 2215,1967 1671,1967
  3-SIGNAL w25: PRO_STM32F4DISCOVERY.56@1561,2375 PRO_STM32F4DISCOVERY.56@1561,2393
3V_STR: STR_Cd1SD.2 STR_Cd2SD.2 STR_MICRO_SD.4 STR_RpuB4.2 STR_RpuB5.2 STR_RpuC5.2 STR_RpudCs.1 STR_RpudMiso.2 STR_RpudMosi.1 STR_RpudSck.2 STR_RpuDTb1.2 STR_RpuDTc1.2 STR_RpuDTc2.2 STR_RpuDTc3.2 STR_RpuDTc4.2 STR_RpuU1rx.2 STR_RpuU1tx.2 STR_RupWAmI.2 STR_STM32F4DISCOVERY.55 STR_STM32F4DISCOVERY.56 | length 5652.1
  1-TOP w20: STR_MICRO_SD.4@633,7507.08 STR_Cd1SD.2@834.92,7507.08 ; 1513,5841 1513,5399 1515,5397
  1-TOP w25: 1513,5841 1591,5919 1614,5919 1614,6221 1562.5,6272.5 1562.5,7463 ; 1691,7732 STR_RupWAmI.2@1756,7732 ; STR_RupWAmI.2@1739.5,7718.5 STR_RupWAmI.2@1741,7717 ; STR_RpuB4.2@2333,7314 2321,7326 2233,7326 2122,7437 1588.5,7437 1562.5,7463 ; STR_RpuU1tx.2@2395,7920 2327,7988 2279,7988 2156,7865 1821,7865 STR_STM32F4DISCOVERY.56@1563,7607 1563,7573 1562.5,7572.5 1562.5,7463
  1-TOP w50: STR_STM32F4DISCOVERY.55@1563,7507 1563,7573
  3-SIGNAL w50: v1@854,7504 854,7498 929,7423 1523,7423 1563,7463 STR_STM32F4DISCOVERY.55@1563,7507 ; STR_STM32F4DISCOVERY.56@1563,7607 STR_STM32F4DISCOVERY.56@1563,7611
  4-BOT w25: v1@845,7502 847,7502 902.07,7502 902.57,7501.5 1023.41,7501.5 STR_RpudMosi.1@1024,7502.09
  4-BOT w50: STR_RpudCs.1@847,7538 847,7502 847,7451 853,7445 907.09,7445 STR_RpudSck.2@935,7417.09
  other v1: 843,7501